# Altium PCB CAN_Current_Module.PcbDoc (part 2 of 2)
Units mil, origin at the board's own origin, x right, y up, seen from the top; angles counter-clockwise.
Board outline 5090 x 3560 mil, 4 copper layers (Top Layer, VCC Plane, GND Plane, Bottom Layer), stack 34.802 mil thick; 166 components, 119 nets, 491 pads, 146 vias.
Unrouted connection lines stored in the file: 3.
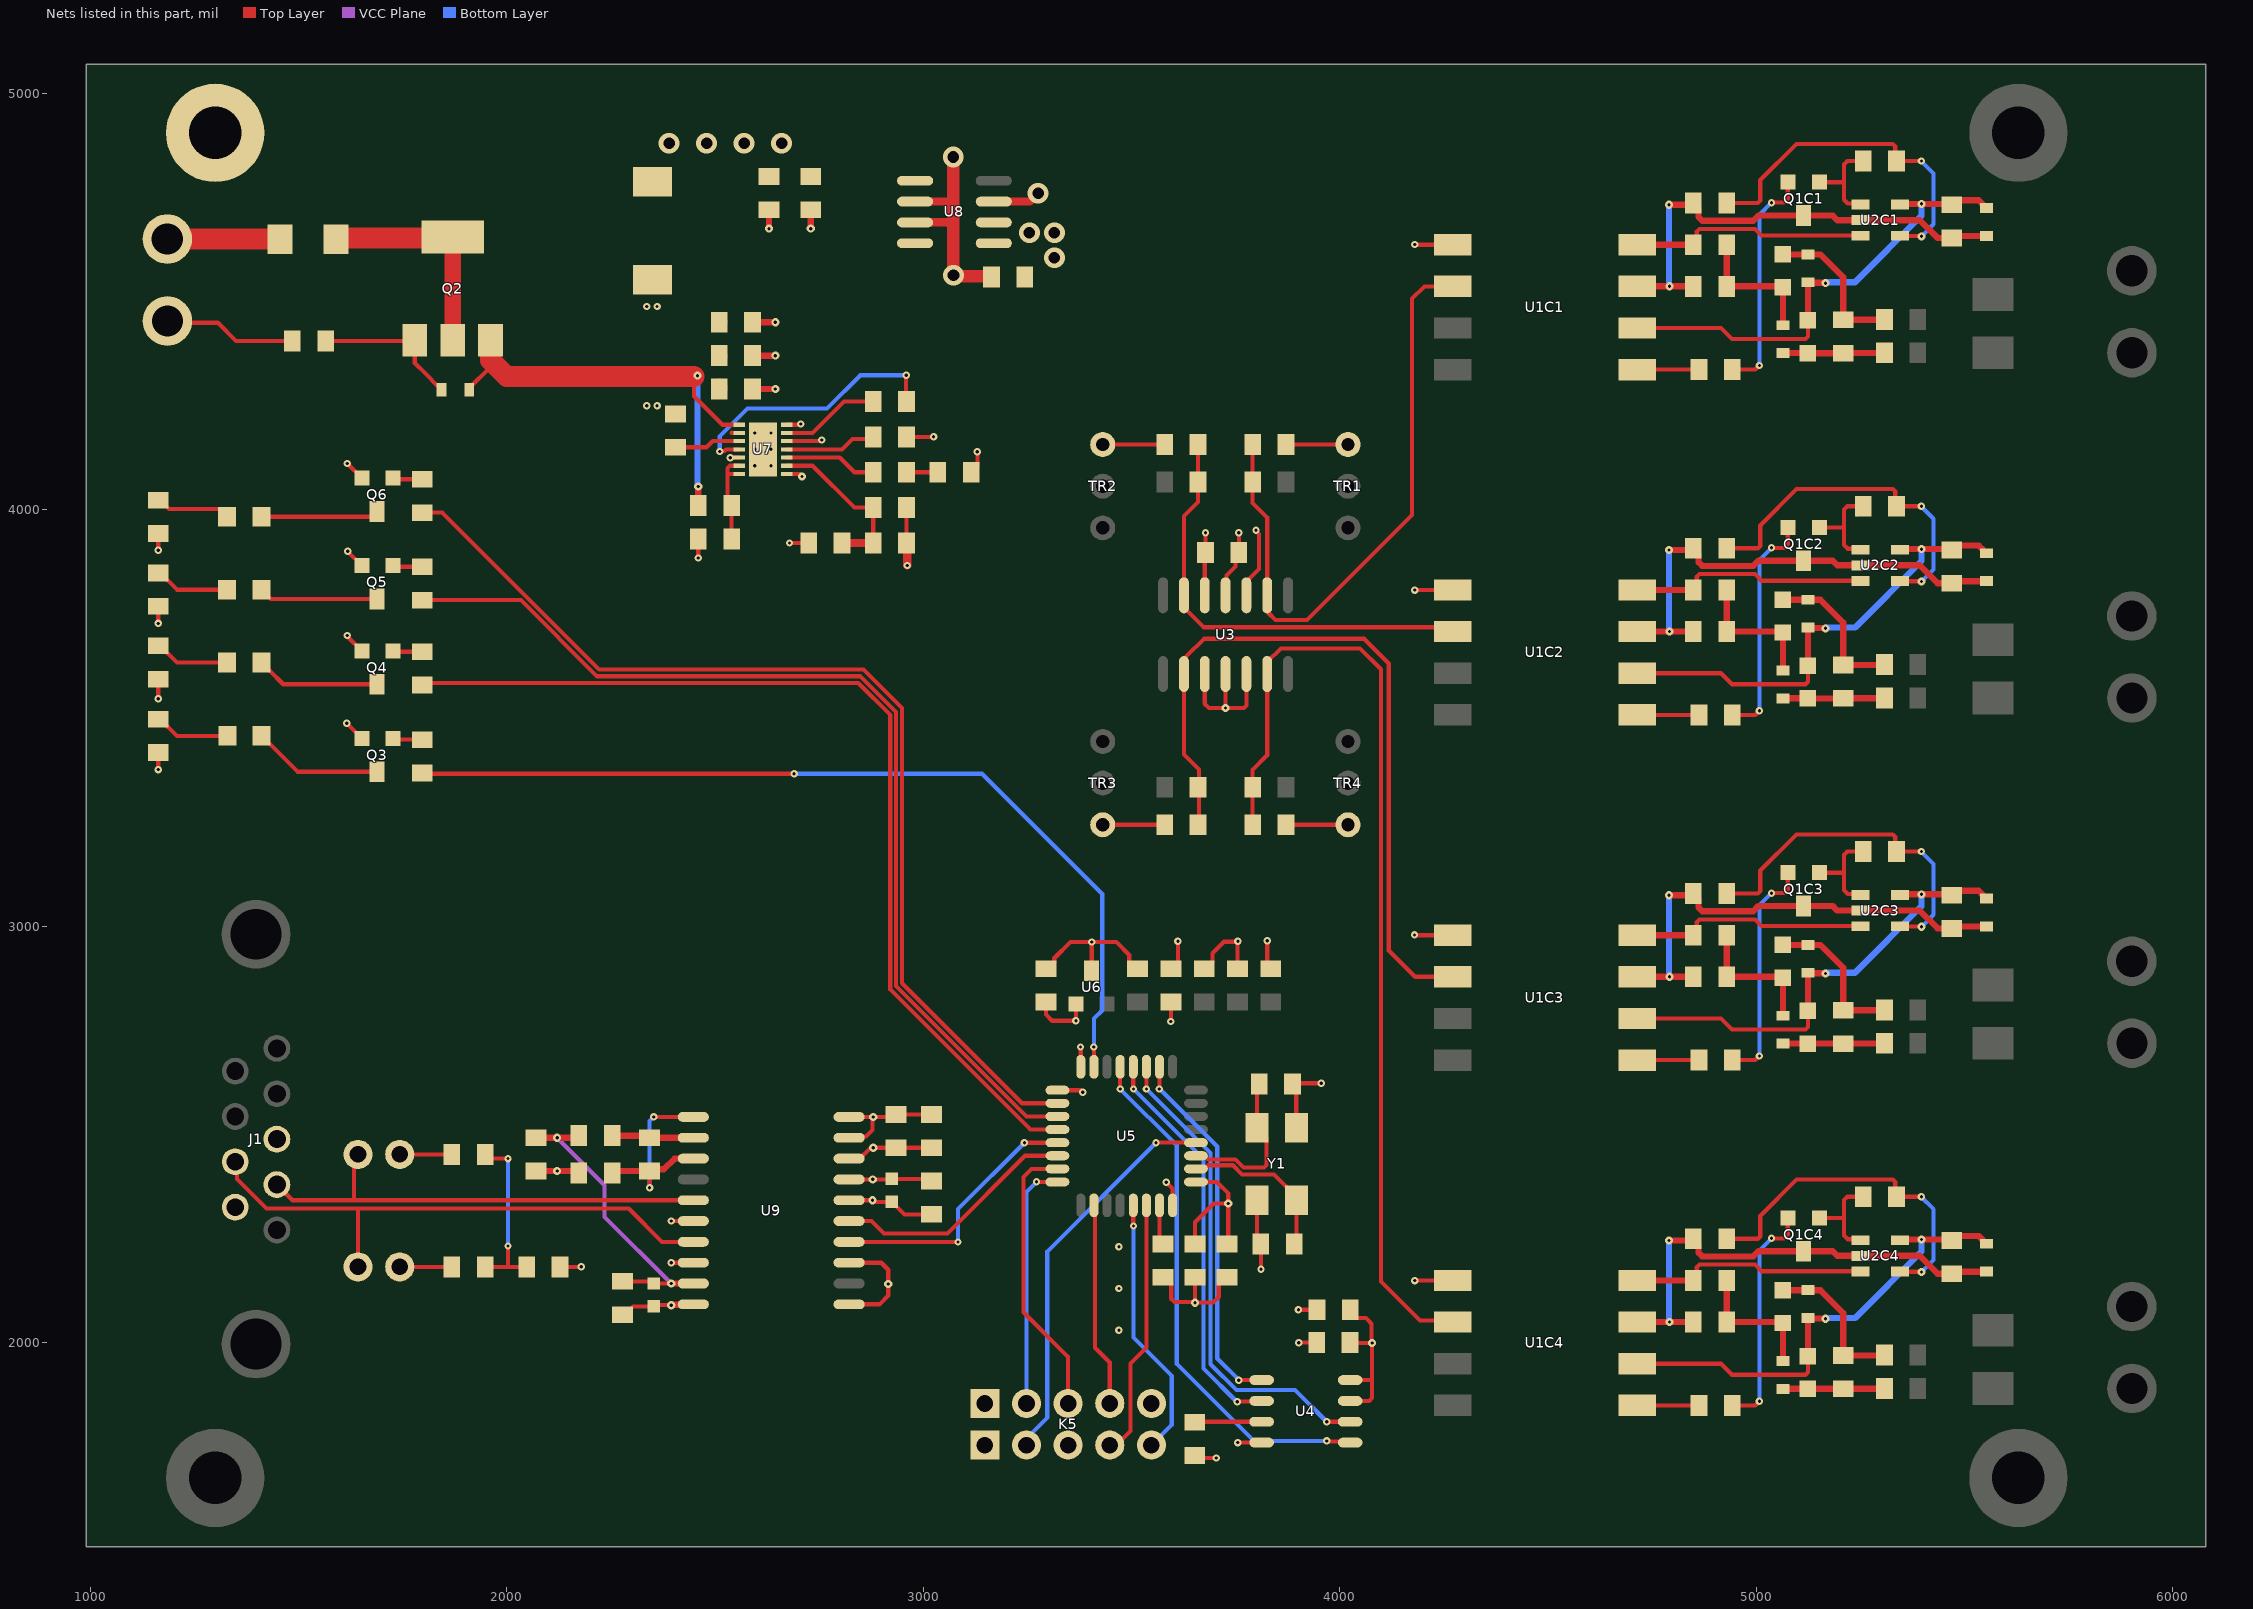
[diagram p4: the nets of this part, all layers, seen from the top]

## Via types
v1: diameter 17.72, hole 7.87, Top Layer to Bottom Layer, 89 vias
v2: diameter 19.68, hole 7.87, Top Layer to Bottom Layer, 47 vias
v3: diameter 50, hole 28, Top Layer to Bottom Layer, 10 vias

## Nets (pads, with @x,y where several pads share a name; then routed paths per layer and width w, separated by ;. In a path a pad name is that pad's centre, name@x,y a point inside that pad or via, vN(x,y) a via of type N, cw(c..) or ccw(c..) an arc to the next point about the centre after c; other vN are vias at no path point) (continued)
GND: C4.2 C9.1 C10.1 C11.1 C12.1 C13.1 C14.1 C15.1 C16.1 C17.1 C18.1 C20.1 C21.1 C22.1 C23.1 C24.1 C25.1 C27.1 C28.1 C32.1 C33.1 C34.1 C35.1 C38.1 K4.1 K5.2 K5.5 K5.10 pad.2@1300,4905 Q3.E Q4.E Q5.E Q6.E R9.2 R16.2 R19.1 R20.1 U1C1.5 U1C2.5 U1C3.5 U1C4.5 U3.3 U3.5 U3.10 U3.11 U3.12 U4.4 U5.16 U5.32 U6.3 U7.1 U7.7 U7.12 U7.15 U8.3 U8.6 U8.7 U9.1 U9.3 U9.7 U9.9 U9.10 Y1.2 Y1.4 | length 5155.1
  Top Layer w10: K4.1@1189.42,4449 1306.19,4449 1350.19,4405 R16.2@1485,4405 ; v1(1616,3487) Q3.E@1652,3451 ; v1(1617,3698) 1617,3696 Q4.E@1652,3661 ; v1(1617,4111) Q6.E@1652,4076 ; v1(1618,3900) Q5.E@1652,3866 ; v1(2460,3884) C22.1@2460,3930 ; v1(2537,4125) 2537.24,4125.24 2557.83,4125.24 U7.12@2557.91,4125.31 ; U7.15@2595.32,4125.31 U7.15@2615,4145 2615,4137.19 U7.15@2643.46,4108.72 ; U7.1@2672.09,4085.94 2703.06,4085.94 v2(2709,4080) ; U7.7@2672.09,4204.06 2704.06,4204.06 v1(2706,4206) ; v1(2679,3920) R20.1@2725,3920 ; U9.1@2822.02,2092 2895,2092 2916,2113 v2(2916,2141) 2916,2175 2899.26,2191.74 2822.28,2191.74 U9.3@2822.02,2192 ; U9.7@2822.02,2392 v2(2879,2392) 2924,2392 C35.1@2925,2393 3015,2393 C34.1@3020,2388 ; U9.9@2822.02,2492 2824.62,2494.61 2862.61,2494.61 2878.52,2510.52 2878.52,2540.52 v2(2880,2542) ; U9.10@2822.02,2542 v2(2880,2542) ; R19.1@2960,4175 v1(3025,4175) ; C32.1@3020,2548 C33.1@2935,2548 2929,2542 v2(2880,2542) ; C27.1@3115,4090 3130,4105 v1(3130,4139) ; C38.1@3294.68,2898 3299.68,2898 3314.68,2913 3314.68,2923 3353.68,2962 v1(3404.68,2962) ; v1(3377.68,2710) 3378.45,2709.24 U5.16@3378.45,2662.34 ; U6.3@3404.68,2893 v1(3404.68,2962) ; C17.1@3514.68,2898 3509.68,2898 3494.68,2913 3494.68,2931 3463.68,2962 v1(3404.68,2962) ; R9.2@3575.68,2157 3580.68,2157 3595.68,2142 3595.68,2105.32 3603.15,2097.85 3650.83,2097.85 v2(3652.68,2096) ; v1(3583.68,2385) 3598.92,2369.76 U5.32@3598.92,2329.66 U5.32@3601.15,2327.43 ; C16.1@3594.68,2898 3596.68,2898 3611.68,2913 v1(3611.68,2964) ; C13.1@3652.68,2157 v2(3652.68,2096) ; C15.1@3674.68,2898 3679.68,2898 3694.68,2913 3694.68,2935 3722.21,2962.52 3754.21,2962.52 3754.68,2963 C25.1@3754.68,2898 ; U3.10@3676,3605.51 3676,3534 3686,3524 v2(3726,3524) ; U3.5@3676,3794.49 3676,3895.49 C4.2@3678,3897.49 v1(3678,3945) ; U3.11@3726,3605.51 v2(3726,3524) ; C14.1@3729.68,2157 3724.68,2157 3709.68,2142 3709.68,2110 3695.68,2096 v2(3652.68,2096) ; v1(3755,1760) U4.4@3812.7,1760 ; U3.12@3776,3605.51 3776,3529.86 3770.14,3524 v2(3726,3524) ; U3.3@3776,3794.49 3776,3828 3806,3858 3806,3941.91 3799,3948.91 v1(3799,3951) ; Y1.4@3801.44,2342.39 3801.44,2246.49 C12.1@3810.93,2237 3810.93,2176.07 v1(3811,2176) ; Y1.2@3895.93,2515.61 3895.93,2611.76 C11.1@3886.68,2621 3888.68,2623 v1(3956,2623) ; v1(3901,2079) C10.1@3945.69,2079 ; v1(3901.5,1999.68) 3901.68,1999.68 3902,2000 C9.1@3944.69,2000 ; v1(4179.69,2979.02) 4179.98,2979.02 4180.59,2978.41 U1C3.5@4271.54,2978.41 ; v1(4180,2149) 4180.41,2149.41 U1C4.5@4271.54,2149.41 ; v1(4180,3807) 4180.41,3807.41 U1C2.5@4271.54,3807.41 ; v1(4180,4637) 4180.59,4636.41 U1C1.5@4271.54,4636.41
  Top Layer w15: C18.1@2590,4290 v2(2645,4290) ; C20.1@2590,4370 v2(2645,4370) ; C21.1@2590,4450 v2(2645,4450) ; v2(2630,4675) C23.1@2630,4720 ; v2(2730,4675) C24.1@2730,4720
  Top Layer w20: U8.7@2980.51,4690 3066.68,4690 ; U8.6@2980.51,4740 3072,4740 ; U8.3@3169.49,4740 3256,4740 v3(3276,4760)
  Top Layer w30: 3066.68,4690 3072,4695.31 ; v3(3072,4847) 3072,4740 3072,4695.31 ; C28.1@3164,4559 3161.89,4561.11 3074.89,4561.11 v3(3072.77,4563.23) 3072,4564 3072,4695.31
  Top Layer w50: K4.1@1185.24,4453.18 K4.1@1189.42,4449
  other v1: 3470,2030 3470,2130 3470,2230 3755.68,2964
  other v2: 2595.31,4105.63 2634.68,4105.63 2595.31,4145 2634.68,4145 2595.31,4184.37 2634.68,4184.37
GND_CAN: C29.2 C30.2 C31.1 C37.1 FB4.2 J1.3 J1.6 U9.16 U9.18 U9.20 | length 450.3
  Top Layer w10: C31.1@2128,2177 C31.1@2128,2182 v1(2179,2182) ; FB4.2@2168,2412 FB4.2@2173,2407 ; C29.2@2278,2067 2283,2067 2303,2087 C30.2@2353,2087 2357,2091 2358,2090 v2(2395,2090) v2@2396,2091 ; v2@2392.5,2089.5 v2@2394.59,2089.5 ; v1(2395,2192) U9.18@2448,2192 ; v1(2395,2292) U9.16@2448,2292 ; U9.20@2447,2091 U9.20@2448,2092
  Top Layer w15: C37.1@2070,2412 v2(2121,2412) FB4.2@2168,2412 ; v2@2396,2091 U9.20@2447,2091
ISOIN1: C5.2 R5.2 U1C1.6 U3.2 | length 1506.3
  Top Layer w10: R5.2@3791,4156.49 C5.2@3791,4066.49 3791,4016.49 3826,3981.49 U3.2@3826,3794.49 3828.61,3791.88 3828.61,3752.58 3846.19,3735 3922,3735 4174,3987 4174,4507 4203.41,4536.41 U1C1.6@4271.54,4536.41
ISOIN2: C6.2 R6.2 U1C2.6 U3.6 | length 1060
  Top Layer w10: R6.2@3660,4156.49 C6.2@3660,4066.49 3660,4018.49 3626,3984.49 3626,3765 3673,3718 U1C2.6@4260.95,3718
ISOIN3: C7.2 R7.2 U1C3.6 U3.9 | length 1819.5
  Top Layer w10: R7.2@3660,3243.49 3662,3245.49 3662,3333.49 3662,3376.49 3626,3412.49 3626,3640.69 3632.46,3647.16 3632.46,3648.46 3674,3690 4059,3690 4118,3631 4118,2942 4181.59,2878.41 U1C3.6@4271.54,2878.41
ISOIN4: C8.2 R8.2 U1C4.6 U3.13 | length 2390.3
  Top Layer w10: R8.2@3791,3243.49 C8.2@3791,3333.49 3791,3375.49 3826,3410.49 U3.13@3826,3605.51 3826,3634 3859,3667 4049,3667 4099,3617 4099,2147 4193,2053 U1C4.6@4267.95,2053
LED1CTRL: R23.1 U5.15 | length 2177.1
  Top Layer w10: R23.1@1797,3368 1799,3366 2686.44,3366 2688,3367.56 2688,3368 v1(2690,3366) ; v1(3409.79,2710) 3409.87,2709.92 3409.87,2662.41 U5.15@3409.94,2662.34 U5.15@3410,2662.39
  Bottom Layer w10: v1(2690,3366) 3141,3366 3430,3077 3430,2798 3410,2778 3410,2715.21 3409.79,2715 v1@3409.79,2711.52
LED2CTRL: R24.1 U5.20 | length 2357.6
  Top Layer w10: R24.1@1797,3579 1802,3584 2844,3584 2921,3507 2921,2848 3257.25,2511.75 U5.20@3322.35,2511.75
LED3CTRL: R25.1 U5.19 | length 2424.3
  Top Layer w10: R25.1@1797,3783 2034,3783 2217,3600 2849,3600 2935,3514 2935,2856 3247.76,2543.24 U5.19@3322.35,2543.24
LED4CTRL: R26.1 U5.18 | length 2500
  Top Layer w10: R26.1@1797,3993 1845,3993 2222,3616 2857,3616 2949,3524 2949,2863 3237.26,2574.74 U5.18@3322.35,2574.74
MISO1: U4.2 U5.12 | length 970.3
  Top Layer w10: U5.12@3502.68,2660.59 U5.12@3504.43,2662.34 3504.43,2609.57 v1(3505,2609) ; v1(3754,1858) 3755,1859 3811.7,1859 U4.2@3812.7,1860
  Bottom Layer w10: v1(3505,2609) 3673,2441 3673,1938 3753,1858 v1(3754,1858)
MOSI1: U4.5 U5.13 | length 1267.5
  Top Layer w10: v1@3472.94,2605.94 v1(3472.94,2609) U5.13@3472.94,2662.34 ; v1(3969,1764) 3970.48,1762.52 4022.61,1762.52 4022.69,1762.61 U4.5@4025.3,1760
  Bottom Layer w10: v1(3472.94,2609) 3473,2609 3609,2473 3609,1949 3794,1764 v1(3969,1764)
NetC1C1_1: C1C1.1 R2C1.2 U2C1.4 | length 834.3
  Top Layer w10: R2C1.2@4943,4736.41 5004.14,4736.41 5010,4742.26 5010,4791.41 5097,4878.41 5328.25,4878.41 5334.11,4872.55 5334.11,4840.3 C1C1.1@5337,4837.41 v1@5396,4837.41 ; U2C1.4@5345.24,4658 5346.04,4657.2 5396.2,4657.2 v2(5397,4656.41)
  Bottom Layer w10: v1@5396,4837.41 5426,4807.41 5426,4685.41 v2(5397,4656.41)
  other v1: 5397,4837.41
NetC1C1_2: C1C1.2 Q1C1.B U2C1.1 | length 264.1
  Top Layer w10: Q1C1.B@5152,4786.41 5211,4786.41 ; C1C1.2@5242,4817.41 5257,4832.41 C1C1.2@5257,4837.41 5219,4837.41 5211,4829.41 5211,4786.41 ; U2C1.1@5250.76,4732.81 5248.12,4735.45 5219.96,4735.45 5211,4744.41 5211,4786.41
NetC1C2_1: C1C2.1 R2C2.2 U2C2.4 | length 834.3
  Top Layer w10: R2C2.2@4943,3907.41 5004.14,3907.41 5010,3913.26 5010,3962.41 5097,4049.41 5328.25,4049.41 5334.11,4043.55 5334.11,4011.3 C1C2.1@5337,4008.41 v1@5396,4008.41 ; U2C2.4@5345.24,3829 5346.04,3828.2 5396.2,3828.2 v2(5397,3827.41)
  Bottom Layer w10: v1@5396,4008.41 5426,3978.41 5426,3856.41 v2(5397,3827.41)
  other v1: 5397,4008.41
NetC1C2_2: C1C2.2 Q1C2.B U2C2.1 | length 264.1
  Top Layer w10: Q1C2.B@5152,3957.41 5211,3957.41 ; C1C2.2@5242,3988.41 5257,4003.41 C1C2.2@5257,4008.41 5219,4008.41 5211,4000.41 5211,3957.41 ; U2C2.1@5250.76,3903.81 5248.12,3906.45 5219.96,3906.45 5211,3915.41 5211,3957.41
NetC1C3_1: C1C3.1 R2C3.2 U2C3.4 | length 834.3
  Top Layer w10: R2C3.2@4943,3078.41 5004.14,3078.41 5010,3084.26 5010,3133.41 5097,3220.41 5328.25,3220.41 5334.11,3214.55 5334.11,3182.3 C1C3.1@5337,3179.41 v1@5396,3179.41 ; U2C3.4@5345.24,3000 5346.04,2999.2 5396.2,2999.2 v2(5397,2998.41)
  Bottom Layer w10: v1@5396,3179.41 5426,3149.41 5426,3027.41 v2(5397,2998.41)
  other v1: 5397,3179.41
NetC1C3_2: C1C3.2 Q1C3.B U2C3.1 | length 264.1
  Top Layer w10: Q1C3.B@5152,3128.41 5211,3128.41 ; C1C3.2@5242,3159.41 5257,3174.41 C1C3.2@5257,3179.41 5219,3179.41 5211,3171.41 5211,3128.41 ; U2C3.1@5250.76,3074.81 5248.12,3077.45 5219.96,3077.45 5211,3086.41 5211,3128.41
NetC1C4_1: C1C4.1 R2C4.2 U2C4.4 | length 834.3
  Top Layer w10: R2C4.2@4943,2249.41 5004.14,2249.41 5010,2255.26 5010,2304.41 5097,2391.41 5328.25,2391.41 5334.11,2385.55 5334.11,2353.3 C1C4.1@5337,2350.41 v1@5396,2350.41 ; U2C4.4@5345.24,2171 5346.04,2170.2 5396.2,2170.2 v2(5397,2169.41)
  Bottom Layer w10: v1@5396,2350.41 5426,2320.41 5426,2198.41 v2(5397,2169.41)
  other v1: 5397,2350.41
NetC1C4_2: C1C4.2 Q1C4.B U2C4.1 | length 264.1
  Top Layer w10: Q1C4.B@5152,2299.41 5211,2299.41 ; C1C4.2@5242,2330.41 5257,2345.41 C1C4.2@5257,2350.41 5219,2350.41 5211,2342.41 5211,2299.41 ; U2C4.1@5250.76,2245.81 5248.12,2248.45 5219.96,2248.45 5211,2257.41 5211,2299.41
NetC2C1_1: C2C1.1 D2C1.A D5C1.K FB2C1.2 | length 369.2
  Top Layer w10: FB2C1.2@5307.41,4456 FB2C1.2@5308.41,4457
  Top Layer w15: D5C1.K@5064.41,4613 D2C1.A@5124.41,4613 5154.41,4613 5209.41,4558 C2C1.1@5209.41,4456 FB2C1.2@5307.41,4456
NetC2C1_2: C2C1.2 D1C1.A D4C1.K FB1C1.2 | length 258.8
  Top Layer w10: D1C1.A@5124.33,4376.07 D1C1.A@5124.41,4376
  Top Layer w15: D4C1.K@5064.41,4376.07 D1C1.A@5124.33,4376.07 ; D1C1.A@5124.41,4376 C2C1.2@5209.41,4376 ; C2C1.2@5209.91,4376.5 FB1C1.2@5307.91,4376.5
  Top Layer w20: C2C1.2@5209.41,4376 C2C1.2@5209.91,4376.5 ; FB1C1.2@5298.41,4387.21 5308.41,4377.21 FB1C1.2@5308.41,4377 FB1C1.2@5307.91,4376.5
NetC2C2_1: C2C2.1 D2C2.A D5C2.K FB2C2.2 | length 369.2
  Top Layer w10: FB2C2.2@5307.41,3627 FB2C2.2@5308.41,3628
  Top Layer w15: D5C2.K@5064.41,3784 D2C2.A@5124.41,3784 5154.41,3784 5209.41,3729 C2C2.1@5209.41,3627 FB2C2.2@5307.41,3627
NetC2C2_2: C2C2.2 D1C2.A D4C2.K FB1C2.2 | length 258.8
  Top Layer w10: D1C2.A@5124.33,3547.07 D1C2.A@5124.41,3547
  Top Layer w15: D4C2.K@5064.41,3547.07 D1C2.A@5124.33,3547.07 ; D1C2.A@5124.41,3547 C2C2.2@5209.41,3547 ; C2C2.2@5209.91,3547.5 FB1C2.2@5307.91,3547.5
  Top Layer w20: C2C2.2@5209.41,3547 C2C2.2@5209.91,3547.5 ; FB1C2.2@5298.41,3558.21 5308.41,3548.21 FB1C2.2@5308.41,3548 FB1C2.2@5307.91,3547.5
NetC2C3_1: C2C3.1 D2C3.A D5C3.K FB2C3.2 | length 369.2
  Top Layer w10: FB2C3.2@5307.41,2798 FB2C3.2@5308.41,2799
  Top Layer w15: D5C3.K@5064.41,2955 D2C3.A@5124.41,2955 5154.41,2955 5209.41,2900 C2C3.1@5209.41,2798 FB2C3.2@5307.41,2798
NetC2C3_2: C2C3.2 D1C3.A D4C3.K FB1C3.2 | length 258.8
  Top Layer w10: D1C3.A@5124.33,2718.07 D1C3.A@5124.41,2718
  Top Layer w15: D4C3.K@5064.41,2718.07 D1C3.A@5124.33,2718.07 ; D1C3.A@5124.41,2718 C2C3.2@5209.41,2718 ; C2C3.2@5209.91,2718.5 FB1C3.2@5307.91,2718.5
  Top Layer w20: C2C3.2@5209.41,2718 C2C3.2@5209.91,2718.5 ; FB1C3.2@5298.41,2729.21 5308.41,2719.21 FB1C3.2@5308.41,2719 FB1C3.2@5307.91,2718.5
NetC2C4_1: C2C4.1 D2C4.A D5C4.K FB2C4.2 | length 369.2
  Top Layer w10: FB2C4.2@5307.41,1969 FB2C4.2@5308.41,1970
  Top Layer w15: D5C4.K@5064.41,2126 D2C4.A@5124.41,2126 5154.41,2126 5209.41,2071 C2C4.1@5209.41,1969 FB2C4.2@5307.41,1969
NetC2C4_2: C2C4.2 D1C4.A D4C4.K FB1C4.2 | length 258.8
  Top Layer w10: D1C4.A@5124.33,1889.07 D1C4.A@5124.41,1889
  Top Layer w15: D4C4.K@5064.41,1889.07 D1C4.A@5124.33,1889.07 ; D1C4.A@5124.41,1889 C2C4.2@5209.41,1889 ; C2C4.2@5209.91,1889.5 FB1C4.2@5307.91,1889.5
  Top Layer w20: C2C4.2@5209.41,1889 C2C4.2@5209.91,1889.5 ; FB1C4.2@5298.41,1900.21 5308.41,1890.21 FB1C4.2@5308.41,1890 FB1C4.2@5307.91,1889.5
NetC3C1_1: C3C1.1 D6C1.A Q1C1.C R1C1.1 R2C1.1 U1C1.3 U2C1.2 | length 1152.5
  Top Layer w10: R2C1.1@4853.41,4732.41 R2C1.1@4859.41,4726.41 ; U2C1.2@5249.76,4695.41 5250.26,4694.91 U2C1.2@5250.76,4695.41 ; C3C1.1@5469.86,4652.55 C3C1.1@5470,4652.41 C3C1.1@5475.07,4657.48
  Top Layer w15: U1C1.3@4714.46,4536.41 v2(4792,4536.41) 4847.41,4536.41 R1C1.1@4849.41,4538.41 ; v2(4791,4732.41) R2C1.1@4853.41,4732.41 ; R2C1.1@4859.41,4726.41 4861.91,4723.91 4861.91,4702.79 4870.69,4694 4993.09,4694 5005.5,4706.41 Q1C1.C@5114,4706.41 5183.91,4706.41 5194.91,4695.41 U2C1.2@5249.76,4695.41 ; U2C1.2@5250.76,4695.41 5393,4695.41 5435.86,4652.55 C3C1.1@5469.86,4652.55 ; C3C1.1@5475.07,4657.48 D6C1.A@5553,4657.48
  Bottom Layer w10: v2@4791,4537.41 v2(4792,4536.41)
  Bottom Layer w15: v2@4791,4537.41 v2(4791,4732.41)
NetC3C1_2: C3C1.2 D1C1.K D2C1.K D6C1.K U1C1.2 U2C1.5 | length 1150.3
  Top Layer w10: U1C1.2@4714.46,4436.41 4916.09,4436.41 4942.49,4410 5118.55,4410 5124.41,4415.86 D1C1.K@5124.41,4454.74 ; D2C1.K@5124.41,4546.07 D2C1.K@5125.36,4545.12 ; v2@5165.62,4545.12 v2(5166.57,4544.17) ; U2C1.5@5343.21,4734.41 5344.81,4732.81 U2C1.5@5345.24,4732.81 ; C3C1.2@5468,4734.41 C3C1.2@5470,4732.41
  Top Layer w15: D1C1.K@5124.41,4454.74 D2C1.K@5124.41,4546.07 ; D2C1.K@5125.36,4545.12 v2@5165.62,4545.12 ; U2C1.5@5343.21,4734.41 v2(5397,4734.41) C3C1.2@5468,4734.41 ; C3C1.2@5470,4732.41 5480.59,4743 5534.41,4743 5544.75,4732.65 5544.75,4728.72 5549.06,4724.41 D6C1.K@5553,4724.41
  Bottom Layer w10: v2(5166.57,4544.17) v2@5168.41,4546
  Bottom Layer w15: v2@5168.41,4546 5237.41,4546 5397,4705.59 v2(5397,4734.41)
NetC3C2_1: C3C2.1 D6C2.A Q1C2.C R1C2.1 R2C2.1 U1C2.3 U2C2.2 | length 1152.5
  Top Layer w10: R2C2.1@4853.41,3903.41 R2C2.1@4859.41,3897.41 ; U2C2.2@5249.76,3866.41 5250.26,3865.91 U2C2.2@5250.76,3866.41 ; C3C2.1@5469.86,3823.55 C3C2.1@5470,3823.41 C3C2.1@5475.07,3828.48
  Top Layer w15: U1C2.3@4714.46,3707.41 v2(4792,3707.41) 4847.41,3707.41 R1C2.1@4849.41,3709.41 ; v2(4791,3903.41) R2C2.1@4853.41,3903.41 ; R2C2.1@4859.41,3897.41 4861.91,3894.91 4861.91,3873.79 4870.69,3865 4993.09,3865 5005.5,3877.41 Q1C2.C@5114,3877.41 5183.91,3877.41 5194.91,3866.41 U2C2.2@5249.76,3866.41 ; U2C2.2@5250.76,3866.41 5393,3866.41 5435.86,3823.55 C3C2.1@5469.86,3823.55 ; C3C2.1@5475.07,3828.48 D6C2.A@5553,3828.48
  Bottom Layer w10: v2@4791,3708.41 v2(4792,3707.41)
  Bottom Layer w15: v2@4791,3708.41 v2(4791,3903.41)
NetC3C2_2: C3C2.2 D1C2.K D2C2.K D6C2.K U1C2.2 U2C2.5 | length 1150.3
  Top Layer w10: U1C2.2@4714.46,3607.41 4916.09,3607.41 4942.49,3581 5118.55,3581 5124.41,3586.86 D1C2.K@5124.41,3625.74 ; D2C2.K@5124.41,3717.07 D2C2.K@5125.36,3716.12 ; v2@5165.62,3716.12 v2(5166.57,3715.17) ; U2C2.5@5343.21,3905.41 5344.81,3903.81 U2C2.5@5345.24,3903.81 ; C3C2.2@5468,3905.41 C3C2.2@5470,3903.41
  Top Layer w15: D1C2.K@5124.41,3625.74 D2C2.K@5124.41,3717.07 ; D2C2.K@5125.36,3716.12 v2@5165.62,3716.12 ; U2C2.5@5343.21,3905.41 v2(5397,3905.41) C3C2.2@5468,3905.41 ; C3C2.2@5470,3903.41 5480.59,3914 5534.41,3914 5544.75,3903.65 5544.75,3899.72 5549.06,3895.41 D6C2.K@5553,3895.41
  Bottom Layer w10: v2(5166.57,3715.17) v2@5168.41,3717
  Bottom Layer w15: v2@5168.41,3717 5237.41,3717 5397,3876.59 v2(5397,3905.41)
NetC3C3_1: C3C3.1 D6C3.A Q1C3.C R1C3.1 R2C3.1 U1C3.3 U2C3.2 | length 1152.5
  Top Layer w10: R2C3.1@4853.41,3074.41 R2C3.1@4859.41,3068.41 ; U2C3.2@5249.76,3037.41 5250.26,3036.91 U2C3.2@5250.76,3037.41 ; C3C3.1@5469.86,2994.55 C3C3.1@5470,2994.41 C3C3.1@5475.07,2999.48
  Top Layer w15: U1C3.3@4714.46,2878.41 v2(4792,2878.41) 4847.41,2878.41 R1C3.1@4849.41,2880.41 ; v2(4791,3074.41) R2C3.1@4853.41,3074.41 ; R2C3.1@4859.41,3068.41 4861.91,3065.91 4861.91,3044.79 4870.69,3036 4993.09,3036 5005.5,3048.41 Q1C3.C@5114,3048.41 5183.91,3048.41 5194.91,3037.41 U2C3.2@5249.76,3037.41 ; U2C3.2@5250.76,3037.41 5393,3037.41 5435.86,2994.55 C3C3.1@5469.86,2994.55 ; C3C3.1@5475.07,2999.48 D6C3.A@5553,2999.48
  Bottom Layer w10: v2@4791,2879.41 v2(4792,2878.41)
  Bottom Layer w15: v2@4791,2879.41 v2(4791,3074.41)
NetC3C3_2: C3C3.2 D1C3.K D2C3.K D6C3.K U1C3.2 U2C3.5 | length 1150.3
  Top Layer w10: U1C3.2@4714.46,2778.41 4916.09,2778.41 4942.49,2752 5118.55,2752 5124.41,2757.86 D1C3.K@5124.41,2796.74 ; D2C3.K@5124.41,2888.07 D2C3.K@5125.36,2887.12 ; v2@5165.62,2887.12 v2(5166.57,2886.17) ; U2C3.5@5343.21,3076.41 5344.81,3074.81 U2C3.5@5345.24,3074.81 ; C3C3.2@5468,3076.41 C3C3.2@5470,3074.41
  Top Layer w15: D1C3.K@5124.41,2796.74 D2C3.K@5124.41,2888.07 ; D2C3.K@5125.36,2887.12 v2@5165.62,2887.12 ; U2C3.5@5343.21,3076.41 v2(5397,3076.41) C3C3.2@5468,3076.41 ; C3C3.2@5470,3074.41 5480.59,3085 5534.41,3085 5544.75,3074.65 5544.75,3070.72 5549.06,3066.41 D6C3.K@5553,3066.41
  Bottom Layer w10: v2(5166.57,2886.17) v2@5168.41,2888
  Bottom Layer w15: v2@5168.41,2888 5237.41,2888 5397,3047.59 v2(5397,3076.41)
NetC3C4_1: C3C4.1 D6C4.A Q1C4.C R1C4.1 R2C4.1 U1C4.3 U2C4.2 | length 1152.5
  Top Layer w10: R2C4.1@4853.41,2245.41 R2C4.1@4859.41,2239.41 ; U2C4.2@5249.76,2208.41 5250.26,2207.91 U2C4.2@5250.76,2208.41 ; C3C4.1@5469.86,2165.55 C3C4.1@5470,2165.41 C3C4.1@5475.07,2170.48
  Top Layer w15: U1C4.3@4714.46,2049.41 v2(4792,2049.41) 4847.41,2049.41 R1C4.1@4849.41,2051.41 ; v2(4791,2245.41) R2C4.1@4853.41,2245.41 ; R2C4.1@4859.41,2239.41 4861.91,2236.91 4861.91,2215.79 4870.69,2207 4993.09,2207 5005.5,2219.41 Q1C4.C@5114,2219.41 5183.91,2219.41 5194.91,2208.41 U2C4.2@5249.76,2208.41 ; U2C4.2@5250.76,2208.41 5393,2208.41 5435.86,2165.55 C3C4.1@5469.86,2165.55 ; C3C4.1@5475.07,2170.48 D6C4.A@5553,2170.48
  Bottom Layer w10: v2@4791,2050.41 v2(4792,2049.41)
  Bottom Layer w15: v2@4791,2050.41 v2(4791,2245.41)
NetC3C4_2: C3C4.2 D1C4.K D2C4.K D6C4.K U1C4.2 U2C4.5 | length 1150.3
  Top Layer w10: U1C4.2@4714.46,1949.41 4916.09,1949.41 4942.49,1923 5118.55,1923 5124.41,1928.86 D1C4.K@5124.41,1967.74 ; D2C4.K@5124.41,2059.07 D2C4.K@5125.36,2058.12 ; v2@5165.62,2058.12 v2(5166.57,2057.17) ; U2C4.5@5343.21,2247.41 5344.81,2245.81 U2C4.5@5345.24,2245.81 ; C3C4.2@5468,2247.41 C3C4.2@5470,2245.41
  Top Layer w15: D1C4.K@5124.41,1967.74 D2C4.K@5124.41,2059.07 ; D2C4.K@5125.36,2058.12 v2@5165.62,2058.12 ; U2C4.5@5343.21,2247.41 v2(5397,2247.41) C3C4.2@5468,2247.41 ; C3C4.2@5470,2245.41 5480.59,2256 5534.41,2256 5544.75,2245.65 5544.75,2241.72 5549.06,2237.41 D6C4.K@5553,2237.41
  Bottom Layer w10: v2(5166.57,2057.17) v2@5168.41,2059
  Bottom Layer w15: v2@5168.41,2059 5237.41,2059 5397,2218.59 v2(5397,2247.41)
NetC18_2: C18.2 C20.2 C21.2 D11.K Q2.3 R14.1 U7.8 | length 1195.6
  Top Layer w10: D11.K@1910,4288 1910,4291.94 1961,4342.94 Q2.3@1961,4407 ; 2450,4272.43 v2@2450,4320 ; 2454.71,4267.71 2503,4219.43 2503,4219 2518,4204 2557.86,4204 U7.8@2557.91,4204.06
  Top Layer w15: R14.1@2460,4010 v2(2460,4056)
  Top Layer w39.37: C18.2@2509.69,4295.31 2510,4295 C18.2@2510,4290 ; C20.2@2509.69,4364.69 2510,4365 C20.2@2510,4370 ; C21.2@2509.69,4451 2510,4450.69 C21.2@2510,4450
  Top Layer w50: Q2.3@1961,4407 1961,4359 2000,4320 v2@2450,4320
  Bottom Layer w10: v2@2458,4058 v2(2460,4056)
  Bottom Layer w15: v2@2458,4058 v2(2458,4322)
NetC19_1: C19.1 L2.1 U7.9 | length 64.8
  Top Layer w10: L2.1@2350,4551.89 L2.1@2374,4527.89 ; C19.1@2396,4221 C19.1@2405,4230 ; 2540,4185 2540.55,4184.45 2557.83,4184.45 U7.9@2557.91,4184.37
  other v1: 2336,4250 2361,4250 2336,4488 2361,4488
NetC19_2: C19.2 U7.10 | length 159
  Top Layer w10: C19.2@2405,4150 2480,4150 2494.69,4164.69 U7.10@2557.91,4164.69
NetC22_2: C22.2 R14.2 U7.13 U7.14 | length 233.3
  Top Layer w10: 2530,4083.25 2532.69,4085.94 U7.14@2557.91,4085.94 ; C22.2@2540,3930 R14.2@2540,4010 2530,4020 2530,4085.94 2530,4099.77 2535.86,4105.63 U7.13@2557.91,4105.63
NetC26_1: C26.1 R17.1 R20.2 U7.2 | length 409.6
  Top Layer w10: U7.2@2672.09,4105.63 2734.37,4105.63 2835,4005 C26.1@2880,4005 R17.1@2880,3920
  Top Layer w20: R20.2@2805,3920 R17.1@2880,3920
NetC27_2: C27.2 R18.1 | length 80
  Top Layer w10: R18.1@2960,4070 R18.1@2960,4075 ; R18.1@2960,4090 C27.2@3035,4090
NetC31_2: C31.2 R21.1 R22.1 | length 419.1
  Top Layer w10: R21.1@1948,2182 2003,2182 ; R22.1@1948,2452 1958,2442 v1(2003,2442) ; v1(2003,2232) 2003,2182 ; C31.2@2048,2182 2003,2182
  Bottom Layer w10: v1(2003,2232) v1(2003,2442)
NetC36_1: C36.1 FB4.1 U9.11 U9.13 | length 518.6
  Top Layer w10: FB4.1@2253,2407 FB4.1@2258,2412 ; v1(2343,2372) C36.1@2343,2412 C36.1@2347.14,2416.14 ; v1(2353,2542) U9.11@2448,2542
  Top Layer w15: FB4.1@2258,2412 C36.1@2343,2412 ; C36.1@2347.14,2416.14 2377.14,2416.14 2403,2442 U9.13@2448,2442
  Bottom Layer w10: v1(2343,2372) 2343,2532 v1(2353,2542)
NetC36_2: C36.2 FB3.1 U9.12 | length 197.1
  Top Layer w10: C36.2@2338,2497 C36.2@2343,2492
  Top Layer w15: FB3.1@2253,2497 C36.2@2338,2497 ; C36.2@2343,2492 U9.12@2448,2492
NetD4C1_A: D4C1.A D5C1.A R1C1.2 R4C1.2 | length 327.1
  Top Layer w10: D5C1.A@5062.26,4536.41 D5C1.A@5064.41,4534.26
  Top Layer w15: R4C1.2@4929.41,4636.41 R1C1.2@4929.41,4536.41 D5C1.A@5062.26,4536.41 ; D4C1.A@5064.41,4443 D5C1.A@5064.41,4534.26
NetD4C2_A: D4C2.A D5C2.A R1C2.2 R4C2.2 | length 327.1
  Top Layer w10: D5C2.A@5062.26,3707.41 D5C2.A@5064.41,3705.26
  Top Layer w15: R4C2.2@4929.41,3807.41 R1C2.2@4929.41,3707.41 D5C2.A@5062.26,3707.41 ; D4C2.A@5064.41,3614 D5C2.A@5064.41,3705.26
NetD4C3_A: D4C3.A D5C3.A R1C3.2 R4C3.2 | length 327.1
  Top Layer w10: D5C3.A@5062.26,2878.41 D5C3.A@5064.41,2876.26
  Top Layer w15: R4C3.2@4929.41,2978.41 R1C3.2@4929.41,2878.41 D5C3.A@5062.26,2878.41 ; D4C3.A@5064.41,2785 D5C3.A@5064.41,2876.26
NetD4C4_A: D4C4.A D5C4.A R1C4.2 R4C4.2 | length 327.1
  Top Layer w10: D5C4.A@5062.26,2049.41 D5C4.A@5064.41,2047.26
  Top Layer w15: R4C4.2@4929.41,2149.41 R1C4.2@4929.41,2049.41 D5C4.A@5062.26,2049.41 ; D4C4.A@5064.41,1956 D5C4.A@5064.41,2047.26
NetD11_A: D11.A Q2.1 R16.1 | length 362.4
  Top Layer w10: R16.1@1565,4405 Q2.1@1777,4405 ; Q2.1@1779,4407 1779,4352.5 1805.88,4325.62 1832.75,4298.75 1836.26,4298.75 1843.07,4291.94 D11.A@1843.07,4288
  Top Layer w50: Q2.1@1777,4405 Q2.1@1779,4407
NetF1_1: F1.1 K4.2 | length 270
  Top Layer w50: K4.2@1185,4650 F1.1@1455,4650
NetF1_2: F1.2 Q2.2 Q2.4 | length 527.1
  Top Layer w39.37: Q2.4@1865,4650 1870,4645 Q2.2@1870,4407 ; Q2.4@1867.5,4652.5 Q2.4@1870,4655
  Top Layer w50: F1.2@1590,4650 1592.5,4652.5 Q2.4@1867.5,4652.5
NetJ1_2: J1.2 K3.1 U9.15 | length 1129.7
  Top Layer w10: J1.2@1448,2379.56 1485.56,2342 1633,2342 ; K3.1@1643,2452 1633,2442 1633,2342 ; U9.15@2448,2342 1633,2342
NetJ1_7: J1.7 K2.1 U9.17 | length 1375.6
  Top Layer w10: J1.7@1348,2434.28 1352.04,2430.24 1352.04,2392.96 1423,2322 1483,2322 ; 1503,2322 1483,2322 ; K2.1@1633,2192 K2.1@1643,2182 1643,2322 ; U9.17@2448,2242 2373,2242 2293,2322 1643,2322 ; 1483,2322 1643,2322
NetK2_2: K2.2 R21.2 | length 125
  Top Layer w10: K2.2@1743,2182 R21.2@1868,2182
NetK3_2: K3.2 R22.2 | length 125
  Top Layer w10: K3.2@1743,2452 R22.2@1868,2452
NetLED1_1: LED1.1 Q3.C | length 314.4
  Top Layer w10: LED1.1@1411.34,3457 1411.34,3455.03 1427.99,3438.38 1429.96,3438.38 1497.34,3371 Q3.C@1689,3371
NetLED1_2: LED1.2 R10.2 | length 182.6
  Top Layer w10: R10.2@1163,3497 1168,3497 1208,3457 LED1.2@1329,3457
NetLED2_1: LED2.1 Q4.C | length 300.4
  Top Layer w10: LED2.1@1411.34,3633 1411.34,3631.03 1427.99,3614.38 1429.96,3614.38 1463.34,3581 Q4.C@1689,3581
NetLED2_2: LED2.2 R11.2 | length 182.2
  Top Layer w10: R11.2@1163,3673 1168,3673 1208,3633 LED2.2@1328.66,3633
NetLED3_1: LED3.1 Q5.C | length 287.9
  Top Layer w10: LED3.1@1411.34,3808 1411.34,3806.03 1427.99,3789.38 1429.96,3789.38 1433.34,3786 Q5.C@1689,3786
NetLED3_2: LED3.2 R12.2 | length 182.2
  Top Layer w10: R12.2@1163,3848 1168,3848 1208,3808 LED3.2@1328.66,3808
NetLED4_1: LED4.1 Q6.C | length 283
  Top Layer w10: LED4.1@1411.34,3983 1676,3983 Q6.C@1689,3996
NetLED4_2: LED4.2 R13.2 | length 158.6
  Top Layer w10: R13.2@1182,4009 1189.38,4001.62 1312.01,4001.62 1328.66,3984.97 LED4.2@1328.66,3983
NetQ1C1_E: Q1C1.E R3C1.1 | length 555.3
  Top Layer w10: R3C1.1@4943,4336.41 4998,4336.41 v1(5008,4346.41) ; v1(5037,4737.41) 5067,4737.41 5076,4746.41 5076,4785.41 Q1C1.E@5077,4786.41
  Bottom Layer w10: v1(5008,4346.41) 5008,4708.41 v1(5037,4737.41)
NetQ1C2_E: Q1C2.E R3C2.1 | length 555.3
  Top Layer w10: R3C2.1@4943,3507.41 4998,3507.41 v1(5008,3517.41) ; v1(5037,3908.41) 5067,3908.41 5076,3917.41 5076,3956.41 Q1C2.E@5077,3957.41
  Bottom Layer w10: v1(5008,3517.41) 5008,3879.41 v1(5037,3908.41)
NetQ1C3_E: Q1C3.E R3C3.1 | length 555.3
  Top Layer w10: R3C3.1@4943,2678.41 4998,2678.41 v1(5008,2688.41) ; v1(5037,3079.41) 5067,3079.41 5076,3088.41 5076,3127.41 Q1C3.E@5077,3128.41
  Bottom Layer w10: v1(5008,2688.41) 5008,3050.41 v1(5037,3079.41)
NetQ1C4_E: Q1C4.E R3C4.1 | length 555.3
  Top Layer w10: R3C4.1@4943,1849.41 4998,1849.41 v1(5008,1859.41) ; v1(5037,2250.41) 5067,2250.41 5076,2259.41 5076,2298.41 Q1C4.E@5077,2299.41
  Bottom Layer w10: v1(5008,1859.41) 5008,2221.41 v1(5037,2250.41)
NetQ3_B: Q3.B R23.2 | length 71.2
  Top Layer w10: Q3.B@1727,3451 1730,3448 R23.2@1797,3448
NetQ4_B: Q4.B R24.2 | length 70.8
  Top Layer w10: Q4.B@1727,3661 1729,3659 R24.2@1797,3659
NetQ5_B: Q5.B R25.2 | length 71.2
  Top Layer w10: Q5.B@1727,3866 1730,3863 R25.2@1797,3863
NetQ6_B: Q6.B R26.2 | length 71.2
  Top Layer w10: Q6.B@1727,4076 1730,4073 R26.2@1797,4073
NetR3C1_2: R3C1.2 U1C1.1 | length 148.5
  Top Layer w10: U1C1.1@4714.46,4336.41 R3C1.2@4863,4336.41
NetR3C2_2: R3C2.2 U1C2.1 | length 148.5
  Top Layer w10: U1C2.1@4714.46,3507.41 R3C2.2@4863,3507.41
NetR3C3_2: R3C3.2 U1C3.1 | length 148.5
  Top Layer w10: U1C3.1@4714.46,2678.41 R3C3.2@4863,2678.41
NetR3C4_2: R3C4.2 U1C4.1 | length 148.5
  Top Layer w10: U1C4.1@4714.46,1849.41 R3C4.2@4863,1849.41
NetR4C1_1: R4C1.1 U1C1.4 U2C1.3 | length 571.2
  Top Layer w10: R4C1.1@4849.41,4636.41 4857.41,4644.41 4857.41,4668 4858,4668 4864.41,4674.41 4997,4674.41 5013,4658.41 5250.35,4658.41 U2C1.3@5250.76,4658
  Top Layer w15: U1C1.4@4714.46,4636.41 R4C1.1@4848,4636.41
NetR4C2_1: R4C2.1 U1C2.4 U2C2.3 | length 571.2
  Top Layer w10: R4C2.1@4849.41,3807.41 4857.41,3815.41 4857.41,3839 4858,3839 4864.41,3845.41 4997,3845.41 5013,3829.41 5250.35,3829.41 U2C2.3@5250.76,3829
  Top Layer w15: U1C2.4@4714.46,3807.41 R4C2.1@4848,3807.41
NetR4C3_1: R4C3.1 U1C3.4 U2C3.3 | length 571.2
  Top Layer w10: R4C3.1@4849.41,2978.41 4857.41,2986.41 4857.41,3010 4858,3010 4864.41,3016.41 4997,3016.41 5013,3000.41 5250.35,3000.41 U2C3.3@5250.76,3000
  Top Layer w15: U1C3.4@4714.46,2978.41 R4C3.1@4848,2978.41
NetR4C4_1: R4C4.1 U1C4.4 U2C4.3 | length 571.2
  Top Layer w10: R4C4.1@4849.41,2149.41 4857.41,2157.41 4857.41,2181 4858,2181 4864.41,2187.41 4997,2187.41 5013,2171.41 5250.35,2171.41 U2C4.3@5250.76,2171
  Top Layer w15: U1C4.4@4714.46,2149.41 R4C4.1@4848,2149.41
NetR5_1: R5.1 TR1.1 | length 149
  Top Layer w10: R5.1@3871,4156.49 TR1.1@4020,4156.49
NetR6_1: R6.1 TR2.1 | length 149
  Top Layer w10: TR2.1@3431,4156.49 R6.1@3580,4156.49
NetR7_1: R7.1 TR3.1 | length 149
  Top Layer w10: TR3.1@3431,3243.49 R7.1@3580,3243.49
NetR8_1: R8.1 TR4.1 | length 149
  Top Layer w10: R8.1@3871,3243.49 TR4.1@4020,3243.49
NetR9_1: R9.1 U5.31 | length 96.1
  Top Layer w10: U5.31@3567.43,2329.66 3567.43,2245.26 R9.1@3575.68,2237
NetR15_1: R15.1 U7.11 | length 657.2
  Top Layer w10: v1(2511.31,4139.72) 2512.78,4141.2 2523.2,4141.2 2527,4145 U7.11@2557.91,4145 ; v1(2959,4323) 2959,4261 R15.1@2960,4260
  Bottom Layer w10: v1(2511.31,4139.72) 2511.31,4176.15 2578.16,4243 2769,4243 2849,4323 v1(2959,4323)
NetR15_2: R15.2 U7.6 | length 239.2
  Top Layer w10: U7.6@2672.09,4184.37 2734.37,4184.37 2810,4260 R15.2@2880,4260
NetR18_2: R18.2 U7.3 | length 222.5
  Top Layer w10: U7.3@2672.09,4125.31 2799.68,4125.31 2835,4090 R18.2@2880,4090
NetR19_2: R19.2 U7.4 | length 220.3
  Top Layer w10: U7.4@2672.09,4145 2805,4145 2830,4170 2875,4170 R19.2@2880,4175
NetR27_1: R27.1 U4.3 | length 161.1
  Top Layer w10: R27.1@3652,1809 3653,1810 U4.3@3812.7,1810
NetU5_21: U5.21 U9.4 | length 645.9
  Top Layer w10: U9.4@2822.02,2242 3083.24,2242 v1(3083.51,2241.74) ; v1(3243,2480) 3243.13,2480.13 3322.22,2480.13 U5.21@3322.35,2480.25 U5.21@3322.72,2480.63
  Bottom Layer w10: v1(3083.51,2241.74) 3083.51,2320.51 v1(3243,2480)
NetU5_22: U5.22 U9.5 | length 590.1
  Top Layer w10: U9.5@2822.02,2292 2876,2292 2906,2262 3058,2262 3244.76,2448.76 U5.22@3322.35,2448.76
NRST: K5.3 U5.4 | length 950.9
  Top Layer w10: v1(3559,2480) 3559.25,2480.25 U5.4@3655.02,2480.25
  Bottom Layer w10: K5.3@3248,1754 3248,1770 3298,1820 3298,2219 v1(3559,2480)
NSS1: U4.1 U5.10 | length 886.5
  Top Layer w10: v1@3566.82,2609.82 3567.43,2610.43 U5.10@3567.43,2662.34 ; v1(3758,1910) U4.1@3812.7,1910
  Bottom Layer w10: v1@3566.82,2609.82 3706,2470.64 3706,1962 v1(3758,1910)
  other v1: 3566.82,2609
OSC_N: C12.2 U5.2 Y1.1 | length 384.1
  Top Layer w10: U5.2@3655.02,2417.26 3675.89,2417.26 3684.64,2426.01 3743.68,2426.01 3765.69,2404 3842.19,2404 Y1.1@3895.93,2350.26 ; C12.2@3890.68,2237 3896.68,2243 3896.68,2341.63 Y1.1@3895.93,2342.39
OSC_P: C11.2 U5.3 Y1.3 | length 390.9
  Top Layer w10: U5.3@3655.02,2448.76 3675.89,2448.76 3684.64,2440.01 3749.48,2440.01 3768.96,2420.53 3818.14,2420.53 3824,2426.39 3824,2493.05 Y1.3@3801.44,2515.61 3801.44,2611.76 C11.2@3810.68,2621
SCK1: U4.6 U5.11 | length 1170.6
  Top Layer w10: U5.11@3535.93,2662.34 3535.93,2609.07 v1(3536,2609) ; v1(3969,1810) U4.6@4025.3,1810
  Bottom Layer w10: v1(3536,2609) 3690,2455 3690,1948 3752,1886 3893,1886 v1(3969,1810)
SWCLK: K5.4 U5.24 | length 593
  Top Layer w10: v1(3272,2386) 3320.58,2386 3321.58,2385 U5.24@3322.35,2385.76
  Bottom Layer w10: K5.4@3248,1854 3248,2362 v1(3272,2386)
SWDIO: K5.6 U5.23 | length 677.6
  Top Layer w10: U5.23@3322.35,2417.26 3260.26,2417.26 3241,2398 3241,2073 3348,1966 K5.6@3348,1854
SWO: K5.8 U5.26 | length 491.4
  Top Layer w10: U5.26@3409.94,2329.66 3412.17,2327.43 3412.17,1987.83 3448,1952 K5.8@3448,1854
UARTRX: K5.7 U5.30 | length 621.6
  Top Layer w10: K5.7@3448,1754 3464.24,1754 3498,1787.76 3498,1950 3535.93,1987.93 U5.30@3535.93,2329.66
UARTTX: K5.9 U5.29 | length 634.3
  Top Layer w10: U5.29@3504.43,2329.66 3504.43,2280.57 v1(3505,2280)
  Bottom Layer w10: v1(3505,2280) 3505,2012 3597,1920 3597,1803 K5.9@3548,1754
VCC_3V3: C4.1 C9.2 C10.2 C13.2 C14.2 C16.2 C28.2 C34.2 C35.2 C38.2 FB5.1 K5.1 R27.2 U3.4 U4.7 U4.8 U5.1 U5.17 U6.1 U8.1 U8.2 U9.6 | length 1529.7
  Top Layer w10: U9.6@2822.02,2342 v2(2878,2342) 2880.09,2342 2884.09,2338 C35.2@2925,2338 2955,2308 C34.2@3020,2308 ; C38.2@3294.68,2818 3294.68,2788 3309.69,2773 v1(3366.68,2773) U6.1@3366.68,2813 ; U5.17@3322.35,2606.24 3377.76,2606.24 v1(3383,2601) ; v1(3594.68,2771) C16.2@3594.68,2818 ; R27.2@3652,1729 3658,1723 v1(3704,1723) ; C13.2@3652.68,2237 3652.68,2289.07 3697.61,2334 v2(3732.68,2334) ; U5.1@3655.02,2385.76 3704.92,2385.76 3732.68,2358 v2(3732.68,2334) ; U3.4@3726,3794.49 3728.21,3796.69 3728.21,3841.69 3749.86,3863.35 3749.86,3889.35 C4.1@3758,3897.49 v1(3758,3945) ; C14.2@3729.68,2237 3732.68,2240 v2(3732.68,2334) ; v1(3826,2965) 3826,2906.68 FB5.1@3834.68,2898 ; C9.2@4024.69,2000 4025.43,1999.26 v2(4077.99,1999.26) ; U4.7@4025.3,1860 4071,1860 4078,1867 4078,1910 ; U4.8@4025.3,1910 4078,1910 ; C10.2@4025.69,2079 4025.69,2074 4040.69,2059 4063,2059 4076.57,2045.43 4076.57,2000.68 v2(4077.99,1999.26) ; 4078,1910 v2(4077.99,1999.26)
  other v3: 3315,4605 3255,4665 3315,4665
VCC_5: C23.2 C24.2 C26.2 C32.2 C33.2 L2.2 R10.1 R11.1 R12.1 R13.1 R17.2 U7.5 U8.5 U8.8 U9.8 | length 613.4
  Top Layer w10: v1(1163,3376) R10.1@1163,3417 ; v1(1163,3546) R11.1@1163,3593 ; v1(1163,3727) R12.1@1163,3768 ; v1(1163,3903) R13.1@1163,3943 ; U7.5@2672.09,4164.69 2753.69,4164.69 v1(2756.34,4167.34) ; U9.8@2822.02,2442 2847.61,2442 2872.13,2466.52 2878.52,2466.52 v2(2880,2468) C33.2@2935,2468 C32.2@3020,2468 ; R17.2@2960,3920 C26.2@2960,4005 ; U8.5@2979.51,4791 U8.5@2980.51,4790
  Top Layer w20: R17.2@2960,3920 2962,3918 v1(2962,3866)
  Top Layer w25: L2.2@2350,4788.11 L2.2@2356.4,4794.51
  other v3: 2390,4880 2480,4880 2570,4880 2660,4880
VISO: C29.1 C30.1 C37.2 FB3.2 U9.19 | length 740.6
  Top Layer w10: FB3.2@2168,2492 FB3.2@2173,2497 ; C29.1@2278,2147 2348,2147 C30.1@2353,2142 v2(2395,2142)
  Top Layer w15: C37.2@2070,2492 v2(2121,2492) FB3.2@2168,2492 ; v2(2395,2142) U9.19@2448,2142
  VCC Plane w10: v2(2121,2492) 2235,2378 2235,2302 v2(2395,2142)
pads on no net: J1.1 J1.4 J1.5 J1.8 J1.9 J1.S1 J1.S2 U1C1.7 U1C1.8 U1C2.7 U1C2.8 U1C3.7 U1C3.8 U1C4.7 U1C4.8 U5.25 U5.27 U5.28 U8.4 U9.2 U9.14

## Polygon pours and split planes (outlines as drawn)
no net on Top Layer "NONET_L01_P055" (solid, pour order 55): 3285,4635
no net on Top Layer "NONET_L01_P054" (solid, pour order 54): 3315,4605
no net on Top Layer "NONET_L01_P053" (solid, pour order 53): 3213,4710
no net on Top Layer "NONET_L01_P043" (solid, pour order 43): 1025.1,3282
VCC_3V3 on Top Layer "VCC_3V3_L01_P036" (solid, pour order 36): 3349,4628 3349,4550 3331,4532 3262,4532 3262,4628
VCC_3V3 on Top Layer "VCC_3V3_L01_P035" (solid, pour order 35): 3194,4702 3344,4702 3349,4697 3349,4633 3349,4628 3194,4628
VCC_5 on Top Layer "VCC_5_L01_P034" (solid, pour order 34): 2770,4930 2871,4930 2950,4851 2950,4628 2937,4628 2868,4628 2859,4636 2859,4800 2843,4819 2770,4819
VCC_5 on Top Layer "VCC_5_L01_P033" (solid, pour order 33): 2300,4819 2300,4920 2310,4930 2770,4930 2770,4819
NetC19_1 on Top Layer "NETC19_1_L01_P030" (solid, pour order 30): 2430,4250 2440,4250 2500,4190 2540,4190 2540,4180 2460,4180 2430,4210
no net on Top Layer "NONET_L01_P027" (solid, pour order 27): 2531.5,4215.5
NetC18_2 on Top Layer "NETC18_2_L01_P026" (solid, pour order 26): 2450,4265 2511,4204 2531,4204 2531,4209 2482,4265
no net on Top Layer "NONET_L01_P024" (solid, pour order 24): 2532.75,4204
no net on Top Layer "NONET_L01_P023" (solid, pour order 23): 2531.5,4204
no net on Top Layer "NONET_L01_P022" (solid, pour order 22): 2445,4265
NetC18_2 on Top Layer "NETC18_2_L01_P021" (solid, pour order 21): 2491,4265 2450,4265 2445,4270 2445,4470 2450,4475 2491,4475
NetC19_1 on Top Layer "NETC19_1_L01_P017" (solid, pour order 17): 2324,4517 2324,4477 2328,4474 2368,4474 2373,4477 2373,4517
NetC19_1 on Top Layer "NETC19_1_L01_P016" (solid, pour order 16): 2382,4210 2325,4210 2321,4214 2321,4260 2325,4264 2369,4264 2382,4251
NetC19_1 on Bottom Layer "NETC19_1_L04_P018" (solid, pour order 18): 2326,4500 2322,4496 2322,4242 2327,4238 2370,4238 2375,4242 2375,4496 2371,4500
GND_CAN on GND Plane "GND_CAN_L03_P052" (solid, pour order 52): 1225,2775 1225,2125 1525,2125 1650,2000 2470,2000 2470,2775
no net on GND Plane "NONET_L03_P051" (solid, pour order 51): 1271,2746
GND on GND Plane "GND_L03_P048" (solid, pour order 48): 1010,5050 1010,3280 2785,3280 2785,1530 4290,1530 4290,5050
VCC_3V3 on VCC Plane "VCC_3V3_L02_P050" (solid, pour order 50): 2785,2357 3146,2357 3146,5050 4290,5050 4290,1530 2785,1530
VCC_5 on VCC Plane "VCC_5_L02_P049" (solid, pour order 49): 1010,5050 1010,3280 2785,3280 2785,2440 3060,2440 3060,5050

## Keep-outs
Keep-Out Layer:
  the board outline again, w10

## Other copper
Top Layer:
  pour cut-out: 3749,2668 3765,2668 3765,2656 3749,2656
  pour cut-out: 3765,2668
  pour cut-out: 2495,4050 2505,4050 2505,3970 2495,3970
  pour cut-out: 2915,4045 2925,4045 2925,3880 2915,3880
  pour cut-out: 3666,3710 3890,3710 3890,3698 3666,3698
  pour cut-out: 3765,2668 3765,2190 3928,2190 3928,2668
  pour cut-out: 2950,4778 2931,4778 2924,4771 2924,4659 2931,4652 2950,4652
GND Plane:
  pour cut-out: 2349.65,4921 2349.65,4839 2700.34,4839 2700.35,4839 2700.35,4921
  pour cut-out: 3213,4710 3364.29,4710 3364.29,4558.1 3364.12,4557.93 3293.07,4557.93 3213,4638
  pour cut-out: 2206.3,4813.7 2493.7,4813.7 2493.7,4526.3 2206.3,4526.3
Bottom Layer:
  pour cut-out: 3213,4710 3364.29,4710 3364.29,4558.1 3295.07,4557.93 3213,4638
  pour cut-out: 2349.65,4921 2700.35,4921 2700.35,4839 2349.65,4839

## Silkscreen, mask and mechanical layers (free items; w line width, h text height)
Top Overlay:
  text "AIC-ISO-C Rev: 0" at 1450,1675 h48
  text "PABLINTINO" at 1459,1609 h48